# Altium PCB main.PcbDoc (part 3 of 3)
Units mil, origin at the board's own origin, x right, y up, seen from the top; angles counter-clockwise.
Board outline 4925 x 4925 mil, 2 copper layers (Top Layer, Bottom Layer); 278 components, 209 nets, 834 pads, 219 vias.
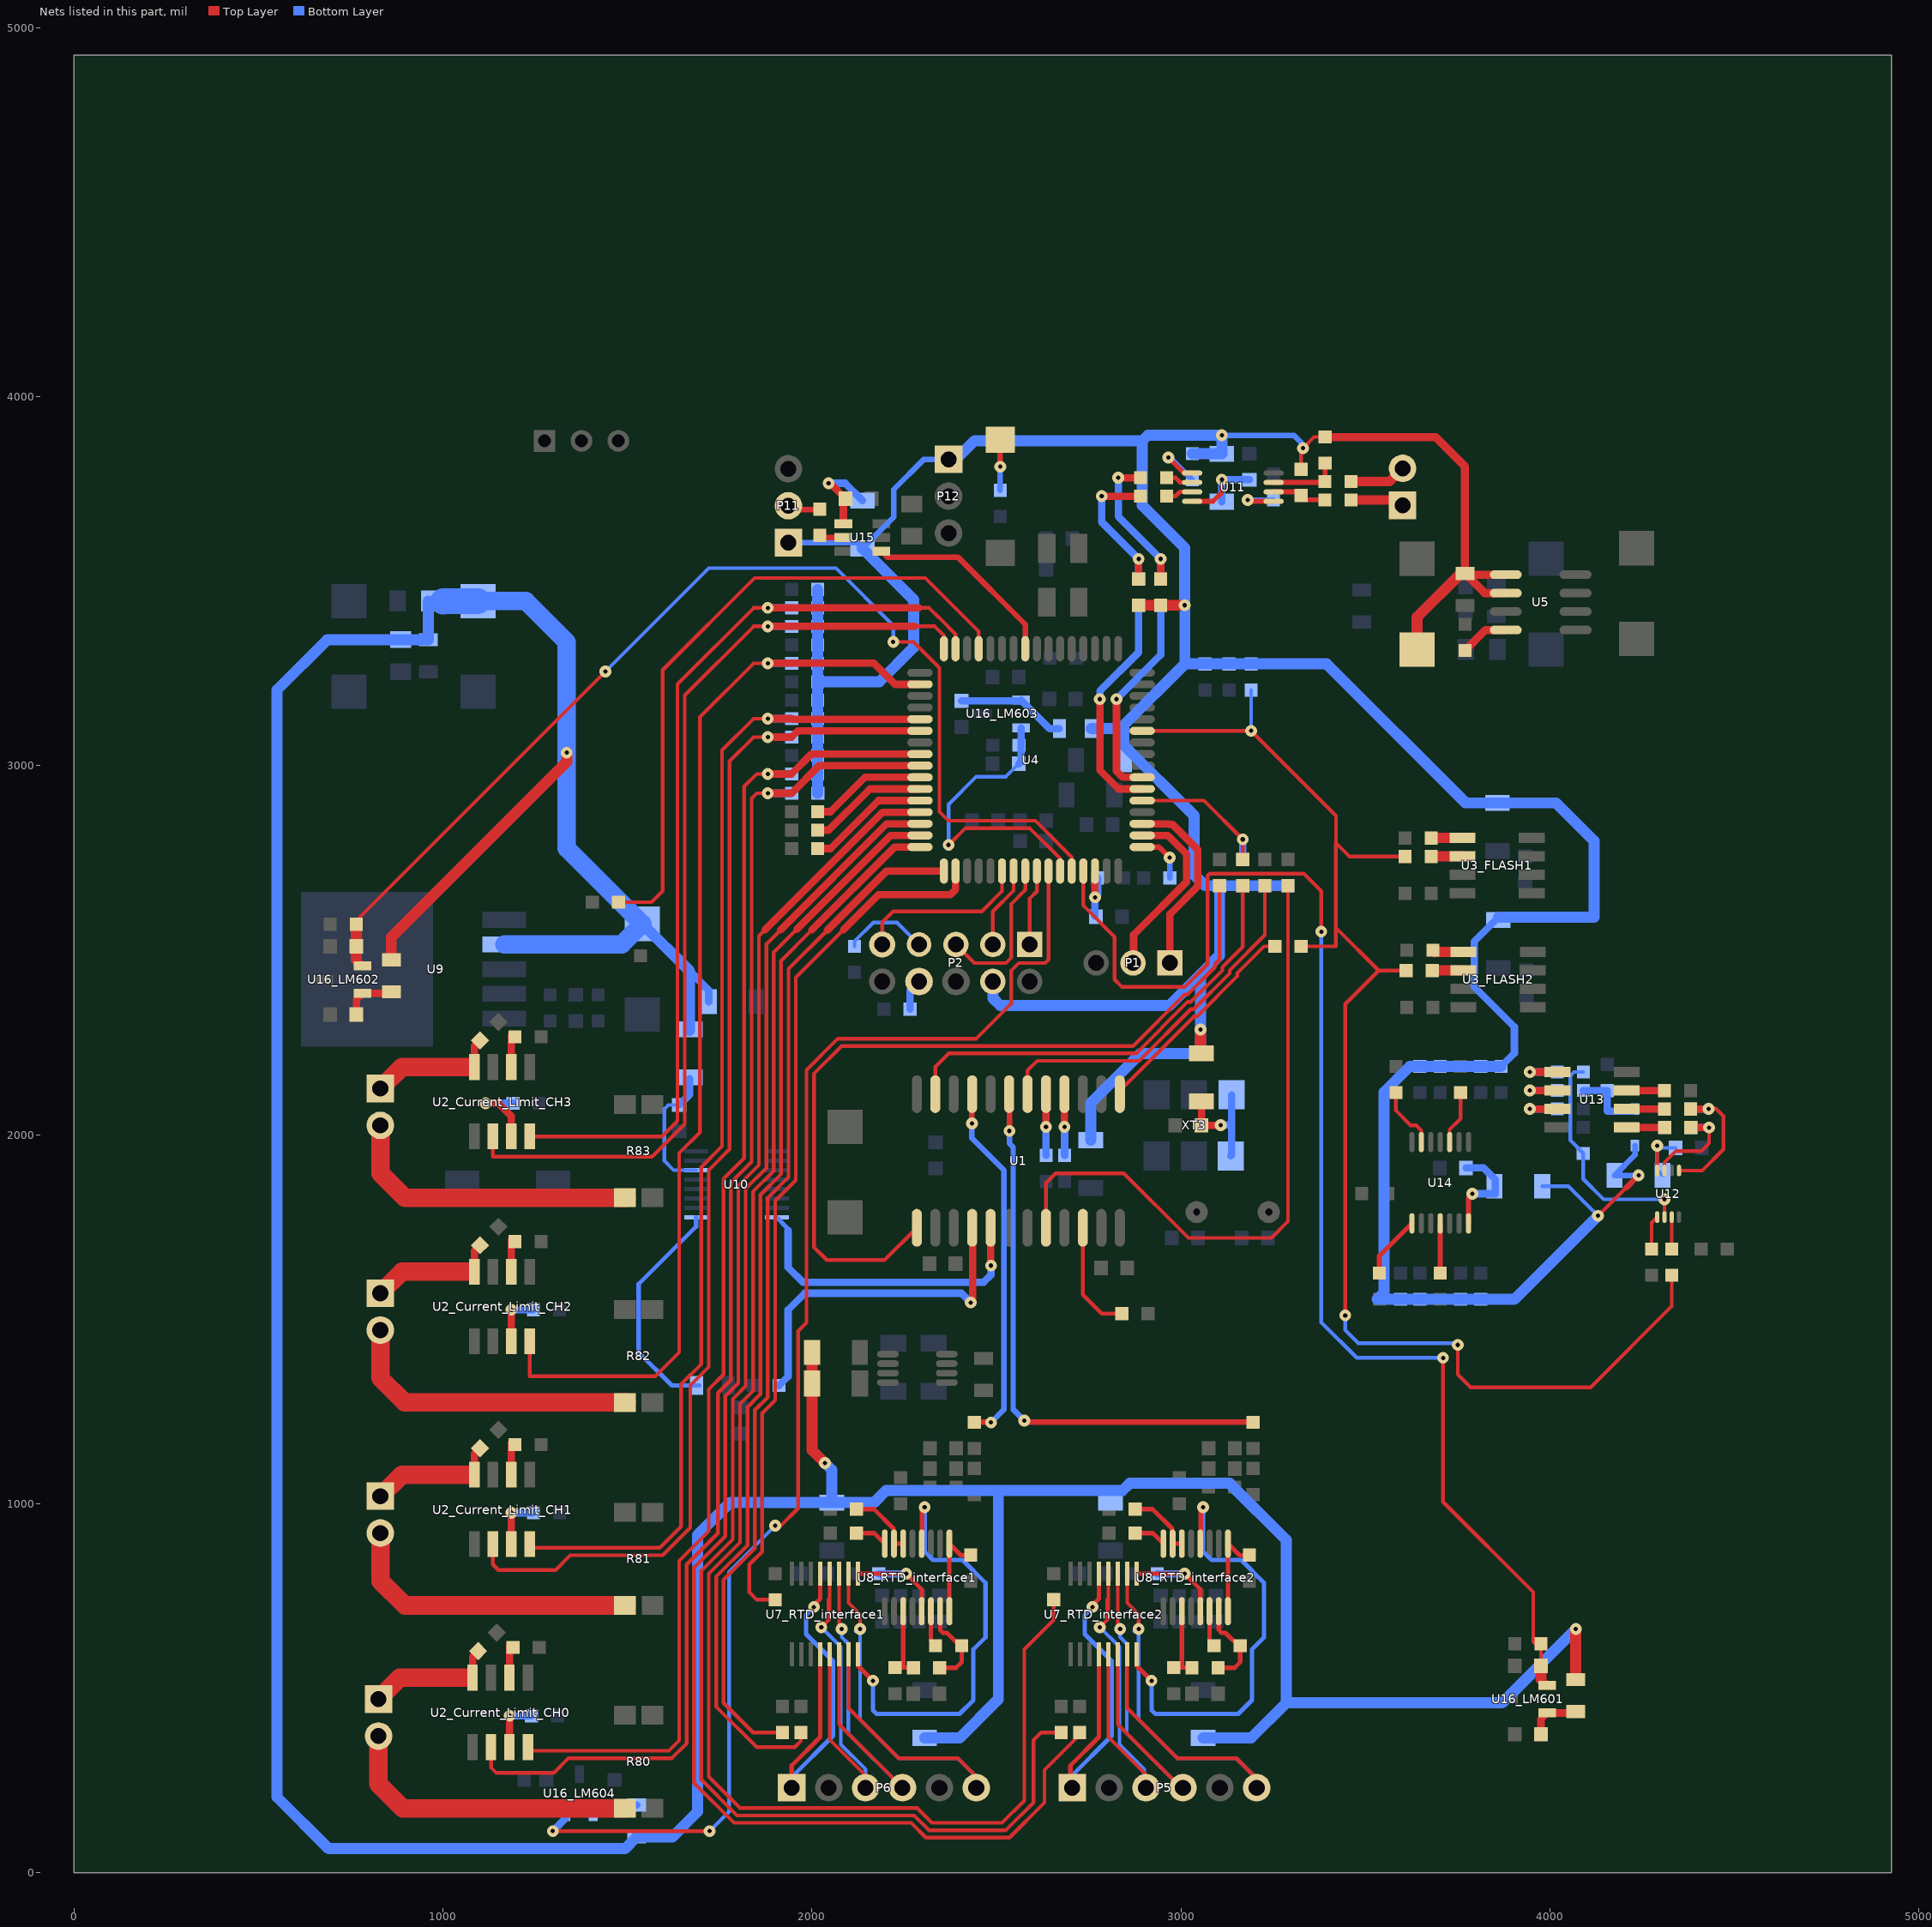
[diagram p3: the nets of this part, all layers, seen from the top]

## Via types
v1: diameter 32, hole 11.81, Top Layer to Bottom Layer, 202 vias
v2: diameter 50, hole 19.68, Top Layer to Bottom Layer, 17 vias

## Nets (pads, with @x,y where several pads share a name; then routed paths per layer and width w, separated by ;. In a path a pad name is that pad's centre, name@x,y a point inside that pad or via, vN(x,y) a via of type N, cw(c..) or ccw(c..) an arc to the next point about the centre after c; other vN are vias at no path point) (continued)
NetC38_2: C38.2 R112.1 U10.14 | length 365.2
  Bottom Layer w10: C38.2@1640,2080.43 1610.43,2080.43 1600,2070 1600,1928.39 1625,1903.39 U10.14@1685.75,1903.39
  Bottom Layer w20: C38.2@1640,2080.43 1668.04,2108.47 R112.1@1668.04,2152.01
NetC39_2: C39.2 R117.1 U11.8 | length 260.2
  Top Layer w13: U11.8@3030.2,3716.18 3086.61,3716.18 3110.43,3740 v1(3110.43,3775)
  Bottom Layer w20: R117.1@3110.43,3715.04 v1(3110.43,3775) 3185,3775 C39.2@3185.43,3774.57
NetC40_2: C40.2 R118.2 U12.8 | length 205.1
  Top Layer w10: v1(4290,1969.57) 4290.16,1969.41 U12.8@4290.16,1902.87
  Bottom Layer w10: R118.2@4304.96,1889.57 4290,1904.53 v1(4290,1969.57) 4295.59,1963.98 C40.2@4339.84,1963.98
NetC41_1: C41.1 R119.2 U14.14 | length 277.9
  Top Layer w13: U14.14@3779.13,1759.41 3779.13,1829.13 v1(3789.69,1839.69)
  Bottom Layer w20: C41.1@3772.36,1909.65 3820.35,1909.65 3851.93,1878.07 3851.93,1839.69 v1(3789.69,1839.69)
NetC42_2: C42.2 R120.2 U15.4 | length 244.7
  Top Layer w20: v1(2044.69,3765.01) 2049.21,3765.01 C42.2@2090.93,3723.28 2084.79,3717.14 U15.4@2084.79,3655.68
  Bottom Layer w20: v1(2044.69,3765.01) 2089.6,3765.01 R120.2@2136.37,3718.24
NetC43_LM601_2: C43_LM601.2 R123_LM601.2 U16_LM601.1 | length 144.2
  Top Layer w20: C43_LM601.2@3975.43,375 3975.43,416.02 U16_LM601.1@3992.01,432.6 4065.91,432.6 R123_LM601.2@4070,436.69
NetC43_LM602_2: C43_LM602.2 R123_LM602.2 U16_LM602.1 | length 144.2
  Top Layer w20: C43_LM602.2@765,2325 765,2366.02 U16_LM602.1@781.57,2382.6 855.47,2382.6 R123_LM602.2@859.57,2386.69
NetC43_LM603_2: C43_LM603.2 R123_LM603.2 U16_LM603.1 | length 298.1
  Bottom Layer w20: C43_LM603.2@2405,3175.43 2564.61,3175.43 U16_LM603.1@2566.57,3177.4 2643.98,3100 R123_LM603.2@2670.22,3100
NetC43_LM604_2: C43_LM604.2 R123_LM604.2 U16_LM604.1 | length 125.8
  Bottom Layer w20: U16_LM604.1@1407.4,163.43 1423.98,180 C43_LM604.2@1465,180 1468.31,183.31 R123_LM604.2@1525,183.31
NetC45_2: C45.2 R126.2 U4.62 | length 180.1
  Top Layer w20: v1(2766.76,2643.07) U4.62@2766.76,2714.25
  Bottom Layer w10: C45.2@2766.76,2592.64 C45.2@2768.97,2590.43 ; v1(2766.76,2643.07) v1@2773.97,2650.28
  Bottom Layer w20: C45.2@2766.76,2592.64 v1(2766.76,2643.07) ; v1@2773.97,2650.28 R126.2@2773.97,2695.43
NetC47_1: C47.1 R127.1 XT3.1 XT3.6 | length 312.7
  Top Layer w20: R127.1@3055,2090.04 3055.47,2089.57 C47.1@3055.47,2025 3055.91,2025.43 v1(3107.68,2025.43)
  Bottom Layer w20: v1(3107.68,2025.43) 3108.03,2025.79 3136.61,2025.79 ; XT3.1@3135.04,1942.32 3136.61,1943.9 3136.61,2025.79 ; XT3.6@3136.61,2107.68 3136.61,2025.79
NetD1_A: D1.A R96.1 R97.2 | length 197.2
  Bottom Layer w20: R96.1@4090.43,2119.57 4154.57,2119.57 R97.2@4155,2119.13 4155,2063.78 4225,2063.78 D1.A@4230,2068.78
NetP2_7: P2.7 R137.2 | length 234.1
  Bottom Layer w10: R137.2@2115,2510.43 2115,2524.01 2165.4,2574.4 2230.6,2574.4 P2.7@2290,2515
NetP2_8: P2.8 R138.2 | length 85.2
  Bottom Layer w20: R138.2@2265.43,2340 2265.43,2390.43 P2.8@2290,2415
NetP3_1: P3.1 R113.2 | length 145.6
  Top Layer w25: R113.2@3460.87,3720 3585.87,3720 P3.1@3600.43,3705.43
NetP3_2: P3.2 R115.2 | length 154.2
  Top Layer w25: R115.2@3460.87,3770 3565,3770 P3.2@3600.43,3805.43
NetP5_1: P5.1 U7_RTD_interface2.4 U7_RTD_interface2.13 | length 1065.5
  Top Layer w12: P5.1@2700,230 2700,290 2777.17,367.17 U7_RTD_interface2.4@2777.17,591.18 ; v1(2760,720) 2760,725 2777.17,742.17 U7_RTD_interface2.13@2777.17,809.69
  Bottom Layer w12: P5.1@2700,230 2700,258.89 2812,370.89 2812,573 2738.78,646.22 2738.78,698.78 v1(2760,720)
NetP5_3: P5.3 U7_RTD_interface2.5 U7_RTD_interface2.12 | length 1098.8
  Top Layer w10: v1(2780,665) 2799.72,684.72 ; 2799.72,741.18 2799.72,684.72 ; U7_RTD_interface2.5@2802.76,591.18 2802.76,367.24 2905,265 P5.3@2905,230 ; U7_RTD_interface2.12@2802.76,809.69 2802.76,687.76 2799.72,684.72
  Bottom Layer w10: v1(2780,665) 2833,612 2833,347 2900,280 P5.3@2900,230
NetP5_4: P5.4 U7_RTD_interface2.6 U7_RTD_interface2.11 | length 1083.1
  Top Layer w10: U7_RTD_interface2.6@2828.35,591.18 2828.35,401.65 P5.4@3000,230 ; U7_RTD_interface2.11@2828.35,809.69 2828.35,666.65 v1(2835,660)
  Bottom Layer w10: v1(2835,660) 2835,638.28 2853,620.28 2853,377 P5.4@3000,230
NetP5_6: P5.6 U7_RTD_interface2.7 U7_RTD_interface2.10 | length 1429.4
  Top Layer w10: U7_RTD_interface2.7@2853.94,591.18 2853.94,446.06 2990,310 3150,310 3200,260 P5.6@3200,230 ; U7_RTD_interface2.10@2853.94,809.69 2853.94,731.06 2885,700 v1(2885,660)
  Bottom Layer w10: v1@2873,654.16 2878.84,660 v1(2885,660) 2885,415 2990,310 3150,310 3200,260 P5.6@3200,230
NetP6_1: P6.1 U7_RTD_interface1.4 U7_RTD_interface1.13 | length 1065.5
  Top Layer w12: P6.1@1945,230 1945,290 2022.17,367.17 U7_RTD_interface1.4@2022.17,591.18 ; v1(2005,720) 2005,725 2022.17,742.17 U7_RTD_interface1.13@2022.17,809.69
  Bottom Layer w12: P6.1@1945,230 1945,258.89 2057,370.89 2057,573 1983.78,646.22 1983.78,698.78 v1(2005,720)
NetP6_3: P6.3 U7_RTD_interface1.5 U7_RTD_interface1.12 | length 1098.7
  Top Layer w10: v1(2025,665) 2044.72,684.72 ; 2044.72,741.18 2044.72,684.72 ; U7_RTD_interface1.12@2047.76,809.69 2047.76,687.76 2044.72,684.72 ; U7_RTD_interface1.5@2049.72,591.18 U7_RTD_interface1.5@2047.76,591.18 2047.76,360.41 2145,263.17 P6.3@2145,230
  Bottom Layer w10: v1(2025,665) 2078,612 2078,347 2145,280 P6.3@2145,230
NetP6_4: P6.4 U7_RTD_interface1.6 U7_RTD_interface1.11 | length 1083.1
  Top Layer w10: U7_RTD_interface1.6@2073.35,591.18 2073.35,401.65 P6.4@2245,230 ; U7_RTD_interface1.11@2073.35,809.69 2073.35,666.65 v1(2080,660)
  Bottom Layer w10: v1(2080,660) 2080,638.28 2098,620.28 2098,377 P6.4@2245,230
NetP6_6: P6.6 U7_RTD_interface1.7 U7_RTD_interface1.10 | length 1429.4
  Top Layer w10: U7_RTD_interface1.7@2098.94,591.18 2098.94,446.06 2235,310 2395,310 2445,260 P6.6@2445,230 ; U7_RTD_interface1.10@2098.94,809.69 2098.94,731.06 2130,700 v1(2130,660)
  Bottom Layer w10: v1@2118,654.16 2123.84,660 v1(2130,660) 2130,415 2235,310 2395,310 2445,260 P6.6@2445,230
NetP7_1: P7.1 R1_Current_Limit_CH0.1 U2_Current_Limit_CH0.8 | length 342
  Top Layer w20: U2_Current_Limit_CH0.8@1080,528.35 1080,585.16 R1_Current_Limit_CH0.1@1094.95,600.1
  Top Layer w50: P7.1@825,470.16 883.19,528.35 1065,528.35
NetP7_2: P7.2 R80.4 | length 824.9
  Top Layer w50: P7.2@825,370.16 825,240.16 890.98,174.17 R80.4@1492.6,174.17
NetP8_1: P8.1 R1_Current_Limit_CH1.1 U2_Current_Limit_CH1.8 | length 342
  Top Layer w20: U2_Current_Limit_CH1.8@1085,1078.35 1085,1135.16 R1_Current_Limit_CH1.1@1099.95,1150.1
  Top Layer w50: P8.1@830,1020.16 888.19,1078.35 1070,1078.35
NetP8_2: P8.2 R81.4 | length 824.9
  Top Layer w50: P8.2@830.43,920.16 830.43,790.16 896.42,724.17 R81.4@1493.03,724.17 R81.4@1498.03,724.17
NetP9_1: P9.1 R1_Current_Limit_CH2.1 U2_Current_Limit_CH2.8 | length 342
  Top Layer w20: U2_Current_Limit_CH2.8@1085,1628.35 1085,1685.16 R1_Current_Limit_CH2.1@1099.94,1700.1
  Top Layer w50: P9.1@830,1570.16 888.19,1628.35 1070,1628.35
NetP9_2: P9.2 R82.4 | length 824.9
  Top Layer w50: P9.2@830,1470.16 830,1340.16 895.98,1274.17 R82.4@1492.6,1274.17 R82.4@1497.6,1274.17
NetP10_1: P10.1 R1_Current_Limit_CH3.1 U2_Current_Limit_CH3.8 | length 342
  Top Layer w20: U2_Current_Limit_CH3.8@1085,2183.19 1085,2240 R1_Current_Limit_CH3.1@1099.95,2254.95
  Top Layer w50: P10.1@830,2125 888.19,2183.19 1070,2183.19
NetP10_2: P10.2 R83.4 | length 824.9
  Top Layer w50: P10.2@830.43,2025 830.43,1895 896.42,1829.02 R83.4@1492.6,1829.02 R83.4@1498.03,1829.02
NetP11_2: P11.2 R110.1 | length 74.3
  Top Layer w15: P11.2@1935.77,3704.14 1945.77,3694.14 R110.1@2005.94,3694.14
NetR2_Current_Limit_CH0_2: R2_Current_Limit_CH0.2 U2_Current_Limit_CH0.3 | length 144.6
  Top Layer w20: U2_Current_Limit_CH0.3@1180,340.16 v1(1180,425.16)
  Bottom Layer w20: v1(1180,425.16) R2_Current_Limit_CH0.2@1239.57,425.16
NetR2_Current_Limit_CH1_2: R2_Current_Limit_CH1.2 U2_Current_Limit_CH1.3 | length 144.6
  Top Layer w20: U2_Current_Limit_CH1.3@1185,890.16 v1(1185,975.16)
  Bottom Layer w20: v1(1185,975.16) R2_Current_Limit_CH1.2@1244.57,975.16
NetR2_Current_Limit_CH2_2: R2_Current_Limit_CH2.2 U2_Current_Limit_CH2.3 | length 165
  Top Layer w20: U2_Current_Limit_CH2.3@1185,1419.73 U2_Current_Limit_CH2.3@1185,1440.16 v1(1185,1525.16)
  Bottom Layer w20: v1(1185,1525.16) R2_Current_Limit_CH2.2@1244.57,1525.16
NetR2_Current_Limit_CH3_2: R2_Current_Limit_CH3.2 U2_Current_Limit_CH3.3 | length 214.1
  Top Layer w20: v1(1115,2085) 1150,2085 1185,2050 U2_Current_Limit_CH3.3@1185,1995
  Bottom Layer w20: v1(1115,2085) R2_Current_Limit_CH3.2@1189.57,2085
NetR3_Current_Limit_CH0_1: R3_Current_Limit_CH0.1 U2_Current_Limit_CH0.6 | length 86.8
  Top Layer w20: U2_Current_Limit_CH0.6@1180,528.35 R3_Current_Limit_CH0.1@1180,615.16
NetR3_Current_Limit_CH1_1: R3_Current_Limit_CH1.1 U2_Current_Limit_CH1.6 | length 86.8
  Top Layer w20: U2_Current_Limit_CH1.6@1185,1078.35 R3_Current_Limit_CH1.1@1185,1165.16
NetR3_Current_Limit_CH2_1: R3_Current_Limit_CH2.1 U2_Current_Limit_CH2.6 | length 86.8
  Top Layer w20: U2_Current_Limit_CH2.6@1185,1628.35 R3_Current_Limit_CH2.1@1185,1715.16
NetR3_Current_Limit_CH3_1: R3_Current_Limit_CH3.1 U2_Current_Limit_CH3.6 | length 86.8
  Top Layer w20: U2_Current_Limit_CH3.6@1185,2183.19 R3_Current_Limit_CH3.1@1185,2270
NetR11_1: R11.1 R22.2 R116.1 | length 436.8
  Top Layer w20: v1(2830,3780) R116.1@2890,3780 ; R11.1@2945,3505.44 v1(2945,3560)
  Bottom Layer w20: v1(2830,3780) 2830,3675 v1(2945,3560) R22.2@2945,3505.43
NetR12_1: R12.1 R18.2 R114.1 | length 425.6
  Top Layer w20: v1(2785,3730) R114.1@2890,3730 ; R12.1@2885,3505.44 v1(2885,3560)
  Bottom Layer w20: v1(2785,3730) 2785,3660 v1(2885,3560) R18.2@2885,3505.43
NetR17_2: R17.2 U1.20 | length 1789.1
  Top Layer w10: U1.20@2633.98,1747.36 2633.98,1868.98 2660,1895 2845,1895 3020,1720 3245,1720 3290,1765 R17.2@3290,2674.57
NetR19_2: R19.2 U1.6 | length 988.3
  Top Layer w10: U1.6@2583.98,2109.57 2583.98,2173.98 2610,2200 2886.57,2200 3026.57,2340 3034.85,2340 3131.86,2437 3131.86,2445.29 3227.29,2540.73 R19.2@3227.29,2664.57
NetR20_2: R20.2 U1.11 | length 1212.3
  Top Layer w10: U1.11@2333.98,2109.57 2333.98,2183.98 2370,2220 2878.28,2220 3018.28,2360 3026.57,2360 3111.86,2445.29 3111.86,2453.57 3167.29,2509.01 R20.2@3167.29,2664.57 ; R20.2@3167.29,2665 R20.2@3167.29,2674.57
NetR21_2: R21.2 U1.13 | length 2222.3
  Top Layer w10: U1.13@2283.98,1747.36 2196.62,1660 2040,1660 2005,1695 2005,2165 2080,2240 2870,2240 3010,2380 3018.28,2380 3091.86,2453.57 3091.86,2461.86 3104.57,2474.57 R21.2@3104.57,2664.57
NetR30_2: R30.2 U4.1 | length 141.8
  Top Layer w15: U4.1@2894.71,2779.21 2940.62,2779.21 v1(2969.4,2750.43)
  Bottom Layer w15: v1(2969.4,2750.43) 2969.4,2695.86 R30.2@2969.83,2695.43
NetR32_1: R32.1 S1.1 | length 137.8
  Top Layer w15: v1(2510,3810) S1.1@2510,3883.54
  Bottom Layer w15: R32.1@2510,3745.75 v1(2510,3810)
NetR37_2: R37.2 U5.4 | length 133.5
  Top Layer w22: R37.2@3769.57,3311.97 3825,3367.4 U5.4@3880.08,3367.4
NetR53_RTD_interface1_1: R53_RTD_interface1.1 U1.9 | length 985.4
  Top Layer w15: v1(2433.39,2030) 2433.39,2108.97 U1.9@2433.98,2109.57 ; R53_RTD_interface1.1@2440,1220.43 2484.57,1220.43 v1(2485,1220)
  Bottom Layer w15: v1(2433.39,2030) 2433.39,1990 2520,1903.39 2520,1255 v1(2485,1220)
NetR53_RTD_interface2_1: R53_RTD_interface2.1 U1.7 | length 1523.5
  Top Layer w15: U1.7@2533.98,2109.57 2535,2108.55 v1(2535,2010) ; v1(2575,1225) 2579.57,1220.43 R53_RTD_interface2.1@3195,1220.43
  Bottom Layer w15: v1(2535,2010) 2535,1975.76 2545,1965.76 2545,1255 v1(2575,1225)
NetR55_RTD_interface1_1: R55_RTD_interface1.1 U8_RTD_interface1.6 | length 98.6
  Top Layer w12: U8_RTD_interface1.6@2322.11,708.46 2322.11,627.46 R55_RTD_interface1.1@2334.57,615
NetR55_RTD_interface1_2: R55_RTD_interface1.2 R57_RTD_interface1.1 U8_RTD_interface1.7 | length 234.7
  Top Layer w12: R57_RTD_interface1.1@2345.44,555 2390,555 2405.43,570.43 2405.43,610 2365.44,650 2355,650 2347.11,657.89 U8_RTD_interface1.7@2347.11,708.46
NetR55_RTD_interface2_1: R55_RTD_interface2.1 U8_RTD_interface2.6 | length 98.6
  Top Layer w12: U8_RTD_interface2.6@3077.11,708.46 3077.11,627.46 R55_RTD_interface2.1@3089.57,615
NetR55_RTD_interface2_2: R55_RTD_interface2.2 R57_RTD_interface2.1 U8_RTD_interface2.7 | length 234.7
  Top Layer w12: R57_RTD_interface2.1@3100.44,555 3145,555 3160.43,570.43 3160.43,610 3120.44,650 3110,650 3102.11,657.89 U8_RTD_interface2.7@3102.11,708.46
NetR56_RTD_interface1_1: R56_RTD_interface1.1 R57_RTD_interface1.2 U8_RTD_interface1.3 | length 202.8
  Top Layer w12: R56_RTD_interface1.1@2225,555.43 2247.11,555.43 ; U8_RTD_interface1.3@2247.11,708.46 2247.11,555.43 ; R57_RTD_interface1.2@2274.57,555 2274.14,555.43 2247.11,555.43
NetR56_RTD_interface2_1: R56_RTD_interface2.1 R57_RTD_interface2.2 U8_RTD_interface2.3 | length 202.8
  Top Layer w12: R56_RTD_interface2.1@2980,555.43 3002.11,555.43 ; U8_RTD_interface2.3@3002.11,708.46 3002.11,555.43 ; R57_RTD_interface2.2@3029.57,555 3029.14,555.43 3002.11,555.43
NetR58_RTD_interface1_2: R58_RTD_interface1.2 U4.49 | length 2786.3
  Top Layer w10: R58_RTD_interface1.2@1920,379.56 1840.42,379.58 1760,460 1760,793.58 1845,878.58 1845,1253.43 1880,1288.43 1880,1828.58 1936.07,1884.65 1936.07,2448.94 2041.07,2553.93
  Top Layer w20: 2041.07,2553.93 2201.38,2714.25 U4.49@2357.31,2714.25
NetR58_RTD_interface2_2: R58_RTD_interface2.2 U4.46 | length 4129
  Top Layer w10: 1914.93,2555.07 1876.07,2516.22 1876.07,1909.5 1820,1853.43 1820,1318.43 1785,1283.43 1785,903.43 1700,818.43 1700,251.72 1796.72,155 2276.72,155 2316.72,115 2525,115 2600,190 2600,359.15 2620.42,379.58 R58_RTD_interface2.2@2674.99,379.58
  Top Layer w20: 1914.93,2555.07 2202.05,2842.2 U4.46@2292.35,2842.2
NetR59_RTD_interface1_2: R59_RTD_interface1.2 U4.50 | length 2378.4
  Top Layer w10: R59_RTD_interface1.2@1900,739.56 1850.43,739.57 1830,760 1830,835 1865,870 1865,1245.15 1900,1280.15 1900,1820.29 1956.07,1876.37 1956.07,2426.07 2085,2555
  Top Layer w20: 2085,2555 2180,2650 2375,2650 2388.81,2663.81 U4.50@2388.81,2714.25
NetR59_RTD_interface2_2: R59_RTD_interface2.2 U4.47 | length 4350.7
  Top Layer w10: 1958.64,2556.36 1896.07,2493.79 1896.07,1901.22 1840,1845.15 1840,1305 1805,1270 1805,895.15 1720,810.15 1720,260 1805,175 2285,175 2325,135 2515,135 2575,195 2575,605 2655,685 R59_RTD_interface2.2@2655,739.57 ; U4.47@2287.35,2805.7 U4.47@2292.35,2810.7
  Top Layer w20: 1958.64,2556.36 2212.98,2810.7 U4.47@2292.35,2810.7
NetR60_RTD_interface1_2: R60_RTD_interface1.2 U4.48 | length 2910.4
  Top Layer w10: R60_RTD_interface1.2@1970,379.56 1970,356.85 1953.15,340 1850,340 1740,450 1740,801.86 1825,886.86 1825,1261.72 1860,1296.72 1860,1836.86 1916.07,1892.93 1916.07,2471.36 1999.85,2555.15 ; U4.48@2287.35,2774.21 U4.48@2292.35,2779.21
  Top Layer w20: 1999.85,2555.15 2223.91,2779.21 U4.48@2292.35,2779.21
NetR60_RTD_interface2_2: R60_RTD_interface2.2 U4.45 | length 4223
  Top Layer w10: 1872.43,2555 1856.07,2538.64 1856.07,1917.79 1800,1861.72 1800,1326.72 1765,1291.72 1765,911.72 1680,826.72 1680,243.43 1788.43,135 2268.43,135 2308.43,95 2535,95 2630,190 2630,277.93 2725,372.94 R60_RTD_interface2.2@2725,379.57
  Top Layer w20: 1872.43,2555 2191.12,2873.7 U4.45@2292.35,2873.7
NetR61_RTD_interface1_1: R61_RTD_interface1.1 U8_RTD_interface1.16 | length 68.5
  Top Layer w12: 2140.44,920 2168.64,920 U8_RTD_interface1.16@2197.11,891.53
NetR61_RTD_interface2_1: R61_RTD_interface2.1 U8_RTD_interface2.16 | length 68.5
  Top Layer w12: 2895.44,920 2923.64,920 U8_RTD_interface2.16@2952.11,891.53
NetR62_RTD_interface1_1: R62_RTD_interface1.1 U8_RTD_interface1.14 U8_RTD_interface1.15 | length 168.4
  Top Layer w12: 2140.44,985 2167.92,985 2220.98,931.93 2220.98,892.66 U8_RTD_interface1.15@2222.11,891.53 U8_RTD_interface1.14@2247.11,891.53
NetR62_RTD_interface2_1: R62_RTD_interface2.1 U8_RTD_interface2.14 U8_RTD_interface2.15 | length 168.4
  Top Layer w12: 2895.44,985 2922.92,985 2975.98,931.93 2975.98,892.66 U8_RTD_interface2.15@2977.11,891.53 U8_RTD_interface2.14@3002.11,891.53
NetR63_RTD_interface1_1: R63_RTD_interface1.1 U8_RTD_interface1.8 U8_RTD_interface1.9 | length 253.8
  Top Layer w12: U8_RTD_interface1.8@2372.11,708.46 U8_RTD_interface1.9@2372.11,891.53 2403.21,860.43 R63_RTD_interface1.1@2430,860.43
NetR63_RTD_interface2_1: R63_RTD_interface2.1 U8_RTD_interface2.8 U8_RTD_interface2.9 | length 253.8
  Top Layer w12: U8_RTD_interface2.8@3127.11,708.46 U8_RTD_interface2.9@3127.11,891.53 3158.21,860.43 R63_RTD_interface2.1@3185,860.43
NetR68_2: R68.2 U4.42 | length 315.5
  Top Layer w20: R68.2@2015.43,2875 2050,2875 2143.18,2968.18 U4.42@2292.35,2968.18
NetR69_2: R69.2 U4.44 | length 330.9
  Top Layer w20: R69.2@2015.42,2775 2050,2775 2180.19,2905.19 U4.44@2292.35,2905.19
NetR73_2: R73.2 U4.29 | length 1797.8
  Top Layer w10: R73.2@1475.43,2630 1565,2630 1595,2660 1595,3258.86 1844.42,3508.27 2306.91,3508.27 2451.8,3363.39 U4.29@2451.8,3316.61
NetR78_1: R78.1 U10.9 | length 631.8
  Bottom Layer w12: U10.9@1685.75,1775.43 1685.75,1750.75 1530,1595 1530,1410 1620,1320 R78.1@1686.69,1320 R78.1@1694.57,1320
NetR79_2: R79.2 U1.16 | length 944
  Top Layer w20: v1(2430,1545) 2435,1550 2435,1746.34 U1.16@2433.98,1747.36
  Bottom Layer w20: R79.2@1910.43,1320 1935,1344.57 1935,1525 1980,1570 2405,1570 v1(2430,1545)
NetR84_1: R84.1 R113.1 U11.2 | length 148.3
  Top Layer w13: U11.2@3250.67,3741.77 3318.23,3741.77 3340,3720 R113.1@3390,3720
NetR85_1: R85.1 R115.1 U11.3 | length 190.2
  Top Layer w13: U11.3@3250.67,3767.36 3387.36,3767.36 R115.1@3390,3770 3390,3819.13 R85.1@3390.43,3819.57
NetR86_1: R86.1 U11.5 | length 172.2
  Top Layer w13: v1(2965.43,3835) 3007.48,3792.95 U11.5@3030.2,3792.95
  Bottom Layer w15: v1(2965.43,3835) 2970,3835 R86.1@3030.43,3774.57
NetR87_2: R87.2 U11.1 | length 142
  Top Layer w13: v1(3180.43,3720) 3184.25,3716.18 U11.1@3250.67,3716.18
  Bottom Layer w15: v1(3180.43,3720) 3180.87,3719.57 R87.2@3250.43,3719.57
NetR88_1: R88.1 R93.1 U12.7 | length 301.7
  Top Layer w10: U12.7@4310.16,1911.16 4310.16,1924.73 4340.43,1955 4410,1955 4431.03,1976.03 v1(4431.03,2018.97) ; R93.1@4381.76,2018.97 R93.1@4385,2015.74
  Top Layer w20: R93.1@4381.76,2018.97 v1(4431.03,2018.97)
  Bottom Layer w20: R88.1@4381.77,2018.97 v1(4431.03,2018.97)
NetR89_1: R89.1 R94.1 U12.5 | length 381.7
  Top Layer w10: U12.5@4349.84,1902.56 4412.56,1902.56 4470,1960 4470,2050 4450,2070 v1(4430,2070) v1@4428.98,2068.98
  Top Layer w20: R94.1@4380.71,2068.98 v1@4428.98,2068.98
  Bottom Layer w20: R89.1@4380.71,2068.98 4428.98,2068.98 v1(4430,2070)
NetR90_1: R90.1 R95.1 U12.2 | length 624.9
  Top Layer w10: v1(4310,1824.57) 4310.16,1824.41 U12.2@4310.16,1776.58
  Bottom Layer w10: R95.1@4090.43,2169.57 4065,2169.57 4055,2159.57 4055,1984.57 4090,1949.57 R90.1@4090,1949.13 4090,1879.57 4145,1824.57 v1(4310,1824.57)
NetR91_1: R91.1 U13.7 | length 101.9
  Top Layer w20: U13.7@4208.19,2119.57 4309.26,2119.57 R91.1@4309.85,2118.98
NetR92_1: R92.1 U13.3 | length 149.6
  Top Layer w20: v1(3945,2069.57) U13.3@4020,2069.57
  Bottom Layer w20: v1(3945,2069.57) R92.1@4019.57,2069.57
NetR93_2: R93.2 U13.5 | length 103
  Top Layer w20: U13.5@4208.19,2019.57 4310.3,2019.57 R93.2@4310.9,2018.97
NetR94_2: R94.2 U13.6 | length 101.9
  Top Layer w20: U13.6@4208.19,2069.57 4309.26,2069.57 R94.2@4309.85,2068.98
NetR95_2: R95.2 U13.1 | length 149.6
  Top Layer w20: v1(3945,2169.57) U13.1@4020,2169.57
  Bottom Layer w20: v1(3945,2169.57) R95.2@4019.57,2169.57
NetR96_2: R96.2 U13.2 | length 149.6
  Top Layer w20: v1(3945,2119.57) U13.2@4020,2119.57
  Bottom Layer w20: v1(3945,2119.57) R96.2@4019.57,2119.57
NetR98_2: R98.2 U1.1 | length 596.7
  Top Layer w10: U1.1@2833.98,2109.57 2833.98,2118.98 3035,2320 3043.14,2320 3151.86,2428.72 3151.86,2436.86 3225,2510 R98.2@3254.57,2510
NetR99_2: R99.2 U1.22 | length 308.1
  Top Layer w10: U1.22@2733.98,1747.36 2733.98,1566.02 2785,1515 R99.2@2839.57,1515
NetR100_2: R100.2 U14.3 | length 146.1
  Top Layer w10: U14.3@3727.95,1979.88 3727.95,2013.96 3757.36,2043.37 R100.2@3757.37,2113.77
NetR101_2: R101.2 U3_FLASH2.2 | length 79.5
  Top Layer w28: R101.2@3686.02,2444.41 3686.61,2445 U3_FLASH2.2@3765.31,2445
NetR102_2: R102.2 U3_FLASH2.1 | length 79.5
  Top Layer w28: R102.2@3686.02,2494.41 3686.61,2495 U3_FLASH2.1@3765.31,2495
NetR103_2: R103.2 U14.6 | length 175.3
  Top Layer w10: R103.2@3592.37,2113.77 3582.37,2103.77 3582.37,2065.08 3622.37,2025.08 3637.37,2025.08 3651.18,2011.27 U14.6@3651.18,1979.88
NetR104_2: R104.2 U14.8 | length 171.3
  Top Layer w13: R104.2@3537.37,1624.64 3537.37,1671.19 U14.8@3625.59,1759.41
NetR105_2: R105.2 U3_FLASH1.2 | length 79.5
  Top Layer w28: R105.2@3683.11,2753.82 3683.7,2754.41 U3_FLASH1.2@3762.4,2754.41
NetR106_2: R106.2 U14.11 | length 134.8
  Top Layer w13: R106.2@3702.37,1624.64 U14.11@3702.36,1759.41
NetR107_2: R107.2 U3_FLASH1.1 | length 79.5
  Top Layer w28: R107.2@3683.11,2803.82 3683.7,2804.41 U3_FLASH1.1@3762.4,2804.41
NetR108_2: R108.2 U12.3 | length 75.8
  Top Layer w10: U12.3@4329.84,1765 4329.84,1743.98 4330,1744.13 R108.2@4330,1689.57
NetR109_2: R109.2 U12.1 | length 93.3
  Top Layer w10: R109.2@4275,1689.57 4275,1761.42 U12.1@4290.16,1776.58
NetR110_2: R110.2 U15.5 | length 66.3
  Top Layer w15: R110.2@2020.77,3623.71 2026.19,3618.28 U15.5@2084.79,3618.28
NetR114_2: R114.2 U11.7 | length 74.2
  Top Layer w12: R114.2@2960.87,3730 2985,3730 2996.77,3741.77 U11.7@3030.2,3741.77
NetR116_2: R116.2 U11.6 | length 74.6
  Top Layer w12: R116.2@2960.87,3780 2985,3780 2997.64,3767.36 U11.6@3030.2,3767.36
NetR121_2: R121.2 U1.5 | length 165.9
  Top Layer w20: v1(2633.98,2021.02) U1.5@2633.98,2109.57
  Bottom Layer w20: v1(2633.98,2021.02) 2633.98,1944.33 R121.2@2634.41,1943.89
NetR122_2: R122.2 U1.4 | length 165.9
  Top Layer w20: v1(2683.98,2021.02) U1.4@2683.98,2109.57
  Bottom Layer w20: v1(2683.98,2021.02) 2684.41,2020.59 R122.2@2684.41,1943.89
NetU1_17: U1.17 U10.8 | length 850.8
  Top Layer w20: U1.17@2483.98,1747.36 2483.98,1646.02 v1(2485,1645)
  Bottom Layer w12: U10.8@1904.25,1775.43 1935,1744.68 1935,1740
  Bottom Layer w20: 1935,1740 1935,1640 1975,1600 2465,1600 2485,1620 v1(2485,1645)
NetU4_25: U4.25 U15.1 | length 537.7
  Top Layer w15: U15.1@2187.94,3580.88 2203.82,3565 2395,3565 2577.78,3382.22 U4.25@2577.78,3316.61
ON_Current_Limit_CH0: R6.1 U2_Current_Limit_CH0.4 U4.40 | length 3666.8
  Top Layer w10: U2_Current_Limit_CH0.4@1230,340.16 1230,330.16 1611.72,330.16 1640,358.44 1640,845 1720,925 1720,1310 1760,1350 1760,1880 1816.07,1936.07 1816.07,2943.35 1849.99,2977.28 v1(1879.99,2977.28)
  Top Layer w20: v1(1879.99,2977.28) 1944.56,2977.28 1998.46,3031.18 U4.40@2292.35,3031.18
  Bottom Layer w20: v1(1879.99,2977.28) R6.1@1944.56,2977.28
ON_Current_Limit_CH1: R130.1 U2_Current_Limit_CH1.4 U4.37 | length 3230.4
  Top Layer w10: U2_Current_Limit_CH1.4@1235,890.16 1235,880.16 1586.87,880.16 1645,938.28 1645,1323.43 1700,1378.43 1700,1912.23 1756.07,1968.3 1756.07,3041.64 1841.71,3127.28 v1(1879.99,3127.28)
  Top Layer w20: v1(1879.99,3127.28) 1944.56,3127.28 1946.17,3125.66 U4.37@2292.35,3125.66
  Bottom Layer w20: v1(1879.99,3127.28) R130.1@1944.56,3127.28
ON_Current_Limit_CH2: R133.1 U2_Current_Limit_CH2.4 U4.34 | length 3016.8
  Top Layer w10: U2_Current_Limit_CH2.4@1235,1440.16 1235,1345 1575,1345 1640,1410 1640,1950 1696.07,2006.07 1696.07,3131.64 1841.7,3277.27 v1(1879.98,3277.27)
  Top Layer w20: v1(1879.98,3277.27) 2167.73,3277.27 2224.85,3220.15 U4.34@2292.35,3220.15
  Bottom Layer w20: v1(1879.98,3277.27) R133.1@1944.55,3277.27
ON_Current_Limit_CH3: R136.1 U2_Current_Limit_CH3.4 U4.31 | length 2574.1
  Top Layer w10: U2_Current_Limit_CH3.4@1235,1995 1593.28,1995 1635,2036.72 1635,3220.57 1841.7,3427.27 v1(1879.99,3427.27) ; 2289.4,3427.27 2317.2,3427.27 2344.47,3400 2344.83,3400 2388.81,3356.02 U4.31@2388.81,3316.61
  Top Layer w20: v1(1879.99,3427.27) 2289.4,3427.27
  Bottom Layer w20: v1(1879.99,3427.27) R136.1@1944.55,3427.27
PGOOD_Current_Limit_CH0: R5.1 U2_Current_Limit_CH0.2 U4.41 | length 3815.8
  Top Layer w10: U2_Current_Limit_CH0.2@1130,340.16 1130,285.16 1145,270.16 1300,270.16 1340,310.16 1620.16,310.16 1660,350 1660,835 1745,920 1745,1300 1780,1335 1780,1870 1836.07,1926.07 1836.07,2911.07 1850,2925 v1(1880,2925)
  Top Layer w20: v1(1880,2925) 1944.57,2925 2019.25,2999.68 U4.41@2292.35,2999.68
  Bottom Layer w20: v1(1880,2925) R5.1@1944.57,2925
PGOOD_Current_Limit_CH1: R129.1 U2_Current_Limit_CH1.2 U4.38 | length 3379.4
  Top Layer w10: U2_Current_Limit_CH1.2@1135,890.16 1135,835.16 1150,820.16 1305,820.16 1345,860.16 1595.16,860.16 1670,935 1670,1320.15 1720,1370.15 1720,1903.94 1776.07,1960.01 1776.07,3011.64 1841.71,3077.28 v1(1879.99,3077.28)
  Top Layer w20: v1(1879.99,3077.28) 1944.56,3077.28 1961.45,3094.17 U4.38@2292.35,3094.17
  Bottom Layer w20: v1(1879.99,3077.28) R129.1@1944.56,3077.28
PGOOD_Current_Limit_CH3: R135.1 U2_Current_Limit_CH3.2 U4.32 | length 2664.1
  Top Layer w10: U2_Current_Limit_CH3.2@1135,1995 1135,1940 1566.57,1940 1655,2028.43 1655,3190.57 1841.7,3377.27 v1(1879.99,3377.27) ; 2277.73,3377.27 2332.55,3377.27 2357.31,3352.52 U4.32@2357.31,3316.61
  Top Layer w20: v1(1879.99,3377.27) 2277.73,3377.27
  Bottom Layer w20: v1(1879.99,3377.27) R135.1@1944.55,3377.27
PT1000_CS_RTD_interface1: R54_RTD_interface1.1 U7_RTD_interface1.9 U8_RTD_interface1.5 | length 324.1
  Top Layer w12: U7_RTD_interface1.9@2124.53,809.69 2124.84,810 v1(2255,810) 2297.11,767.89 U8_RTD_interface1.5@2297.11,708.46
  Bottom Layer w20: R54_RTD_interface1.1@2180.44,810 v1(2255,810)
PT1000_CS_RTD_interface2: R54_RTD_interface2.1 U7_RTD_interface2.9 U8_RTD_interface2.5 | length 324.1
  Top Layer w12: U7_RTD_interface2.9@2879.53,809.69 2879.84,810 v1(3010,810) 3052.11,767.89 U8_RTD_interface2.5@3052.11,708.46
  Bottom Layer w20: R54_RTD_interface2.1@2935.44,810 v1(3010,810)
PT1000_VS_RTD_interface1: U7_RTD_interface1.8 U8_RTD_interface1.12 | length 1213
  Top Layer w12: U7_RTD_interface1.8@2124.53,591.18 2124.53,560.47 v1(2165,520) ; U8_RTD_interface1.12@2297.11,891.53 2298.23,892.66 2298.23,983.23 v1(2305,990)
  Bottom Layer w12: v1(2165,520) 2165,440 2175,430 2400,430 2437.31,467.31 2437.31,605.09 2470,637.78 2470,785 2408,847 2328,847 2305,870 v1(2305,990)
PT1000_VS_RTD_interface2: U7_RTD_interface2.8 U8_RTD_interface2.12 | length 1213
  Top Layer w12: U7_RTD_interface2.8@2879.53,591.18 2879.53,560.47 v1(2920,520) ; U8_RTD_interface2.12@3052.11,891.53 3053.23,892.66 3053.23,983.23 v1(3060,990)
  Bottom Layer w12: v1(2920,520) 2920,440 2930,430 3155,430 3192.31,467.31 3192.31,605.09 3225,637.78 3225,785 3163,847 3083,847 3060,870 v1(3060,990)
RXD0: P1.2 U4.2 | length 504.6
  Top Layer w20: P1.2@2850,2465 2871.6,2486.6 2871.6,2541.6 3015,2685 3015,2760 2964.3,2810.7 U4.2@2894.71,2810.7
SCK: R23.1 R98.1 R101.1 R105.1 R108.1 U4.11 | length 3803.2
  Top Layer w10: U4.11@2894.71,3094.17 v1(3190,3094.17) 3420,2864.16 3420,2790 ; R98.1@3325.43,2510 3419.71,2510 3419.71,2560.29 ; v1(3445,1510) 3445,2353.82 3535.59,2444.41 ; R105.1@3607.24,2753.82 3456.18,2753.82 3420,2790 ; R101.1@3610.15,2444.41 3535.59,2444.41 ; v1(3750,1430) 3750,1350 3785,1315 4110,1315 4330,1535 R108.1@4330,1618.7 ; 3419.71,2560.29 3419.71,2790 3420,2790 ; 3419.71,2560.29 3535.59,2444.41
  Bottom Layer w10: v1(3190,3094.17) R23.1@3190,3204.56 ; v1(3445,1510) 3445,1470 3480,1435 3745,1435 v1(3750,1430)
SCL: R18.1 U4.6 | length 626.3
  Top Layer w20: v1(2780,3180) 2780,2987.57 2830.89,2936.69 U4.6@2894.71,2936.69
  Bottom Layer w20: v1(2780,3180) 2780,3201.9 2885,3306.9 2885,3380 R18.1@2885,3434.57
SDA: R22.1 U4.7 | length 576
  Top Layer w20: v1(2825,3180) 2825,2985 2841.82,2968.18 U4.7@2894.71,2968.18
  Bottom Layer w20: v1(2825,3180) 2945,3300 2945,3380 R22.1@2945,3434.57
SOL_A0: R67.2 U4.43 | length 323.2
  Top Layer w20: R67.2@2015.43,2825 2045,2825 2156.69,2936.69 U4.43@2292.35,2936.69
STANDBY: R14.1 R20.1 U4.5 | length 430.1
  Top Layer w10: U4.5@2894.71,2910 U4.5@2894.71,2905.19 3062.1,2905.19 v1(3167.29,2800) R20.1@3167.29,2745.44
  Bottom Layer w20: R14.1@3167.29,2745.43 v1(3167.29,2800)
TCK: P2.1 U4.57 | length 207.2
  Top Layer w10: P2.1@2590,2515 2590,2640 2609.28,2659.28 U4.57@2609.28,2714.25
TDI: P2.9 U4.54 | length 474.4
  Top Layer w10: P2.9@2190,2515 2190,2575 2220,2605 2460,2605 2514.79,2659.79 U4.54@2514.79,2714.25
TDO: P2.3 U4.55 | length 222.6
  Top Layer w10: P2.3@2490,2515 2490,2605 2546.29,2661.29 U4.55@2546.29,2714.25
TEMP1: C44_LM601.2 R124_LM601.2 U4.61 U16_LM601.2 | length 3728.2
  Top Layer w10: U4.61@2735.26,2714.25 2735.26,2620.33 2820,2535.6 2820,2420 2840,2400 3010,2400 3071.86,2461.86 3071.86,2701.86 3077.29,2707.29 3128.5,2707.29 3143.36,2707.28 3191.22,2707.29 3203.36,2707.28 3251.22,2707.28 3332.72,2707.28 3380,2660 v1(3380,2550) ; v1(3710,1395) 3710,1005 3954.66,760.34 3954.66,625.34 3975.43,604.57 C44_LM601.2@3975.43,540.43
  Top Layer w20: 3975.43,523.98 U16_LM601.2@3992.01,507.4
  Top Layer w30: 3975.43,523.98 C44_LM601.2@3975.43,540.43
  Bottom Layer w10: v1(3380,2550) 3380,1491.16 3476.16,1395 v1(3710,1395)
TEMP2: C44_LM602.2 R124_LM602.2 U4.60 U16_LM602.2 | length 3080.7
  Top Layer w10: R124_LM602.2@765,2570 765,2580 v1(1440,3255) ; v1(2220,3335) 2275,3335 2345,3265 2345,2875 2369.57,2850.43 2605.37,2850.43 2703.77,2752.03 U4.60@2703.77,2714.25
  Top Layer w20: 765,2473.98 U16_LM602.2@781.57,2457.4
  Top Layer w30: 765,2473.98 C44_LM602.2@765,2510 R124_LM602.2@765,2570
  Bottom Layer w10: v1(1440,3255) 1720,3535 2065,3535 2220,3380 v1(2220,3335)
TEMP3: C44_LM603.2 R124_LM603.2 U4.59 U16_LM603.2 | length 834.9
  Top Layer w10: v1(2370,2785) 2415,2830 2590.44,2830 2672.27,2748.17 U4.59@2672.27,2714.25
  Bottom Layer w10: v1(2370,2785) 2370,2895 2445,2970 2525.43,2970 C44_LM603.2@2560.43,3005
  Bottom Layer w20: C44_LM603.2@2560.43,3005 2566.57,3011.14 U16_LM603.2@2566.57,3102.6
TEMP4: C44_LM604.2 R124_LM604.2 U4.58 U16_LM604.2 | length 3862.8
  Top Layer w10: v1(1297.5,112.5) v1(1722.5,112.5) ; v1(1900,940) 1915,940 1962.4,987.4 1962.4,1467.75 1985,1490.34 1985,2175 2070,2260 2445,2260 2540.6,2355.6 ; 2540,2355.6 2540,2445 2560,2465 2631.77,2465 2640.78,2474 U4.58@2640.78,2714.25
  Bottom Layer w10: v1(1722.5,112.5) 1775,165 1775,815 v1(1900,940)
  Bottom Layer w20: v1(1297.5,112.5) 1332.6,147.6 U16_LM604.2@1332.6,163.43 1316.02,180
  Bottom Layer w30: R124_LM604.2@1220,180 C44_LM604.2@1280,180 1316.02,180
TMS: P2.5 U4.56 | length 426.8
  Top Layer w10: P2.5@2390,2515 2440,2465 2525,2465 2540,2480 2540,2625 2577.78,2662.78 U4.56@2577.78,2714.25
TXD0: P1.1 U4.3 | length 526
  Top Layer w20: U4.3@2894.71,2842.2 2965,2842.2 2966.5,2840.7 2976.72,2840.7 3045,2772.43 3045,2672.57 2970,2597.57 2970,2485 P1.1@2950,2465
VCC3: C22.1 D1.K P2.4 P11.1 P12.1 R4.2 R5.2 R6.2 R11.2 R12.2 R13.2 R14.2 R15.2 R16.2 R23.2 R24.2 R25.2 R26.2 R27.2 R28.2 R29.2 R36.2 R38.1 R39.1 R40.1 R41.1 R44.1 R45_FLASH1.1 R45_FLASH2.1 R46.1 R84.2 R85.2 R86.2 R117.2 R118.1 R119.1 R120.1 R123_LM603.1 R127.2 R128.2 R129.2 R130.2 R131.2 R132.2 R133.2 R134.2 R135.2 R136.2 U5.1 U5.2 | length 12171.8
  Top Layer w10: R84.2@3325.43,3802.8 3325.43,3855 v1(3330.43,3860) 3360.87,3890.43 R85.2@3390.43,3890.43 ; U5.1@3876.77,3520.71 U5.1@3880.08,3517.4 ; v1(4130,1780) 4239.56,1889.56 v1(4240,1889.56)
  Top Layer w15: 4205.28,1854.84 v1(4240,1889.56)
  Top Layer w22: R85.2@3390.43,3890.43 3689.57,3890.43 3769.57,3810.43 R36.2@3769.57,3520.71 ; U5.2@3880.08,3467.4 3822.87,3467.4 3772.87,3517.4 U5.1@3880.08,3517.4
  Top Layer w30: R12.2@2885,3434.57 R11.2@2945,3434.57 v1(3010,3434.57) ; v1(3053.03,2285) 3053.03,2221.93 R127.2@3055,2219.96 ; C22.1@3639.57,3314.57 3639.57,3402.4 3757.87,3520.71 R36.2@3769.57,3520.71
  Bottom Layer w10: R117.2@3109.96,3845.43 R117.2@3110.43,3844.96 ; R119.1@3978.96,1860 4050,1860 v1(4130,1780)
  Bottom Layer w15: P11.1@1935.77,3604.14 2120.54,3604.14 R120.1@2136.37,3588.32 2221.37,3673.32 2221.37,3748.28 2303.08,3830 2349.65,3830 P12.1@2359.82,3819.82 ; 3035,3275.43 3040,3280.43 ; v1(3110.43,3895) 3305.43,3895 3330.43,3870 v1(3330.43,3860) ; D1.K@4230,1970.36 4230,1944.53 R118.1@4175.04,1889.57 v1(4240,1889.56)
  Bottom Layer w20: R45_FLASH2.1@3860.59,2589.37 3795,2523.78 3795,2400 3903.37,2291.63 3903.37,2220.64 R26.2@3867.37,2184.64
  Bottom Layer w30: R5.2@2015.43,2925 R129.2@2015.42,3077.28 R132.2@2015.42,3227.27 ; R134.2@2015.42,3477.27 R132.2@2015.42,3227.27 ; R120.1@2136.37,3588.32 2275,3449.69 2275,3320 2182.27,3227.27 R132.2@2015.42,3227.27 ; P12.1@2370,3830 2390.04,3830 2440.04,3880 2895,3880 ; P2.4@2490,2415 2490,2370 2510,2350 2968.43,2350 3053.03,2434.6 ; R44.1@2755,1984.96 2755,2085 2889.96,2219.96 3053.03,2219.96 v1(3053.03,2285) 3053.03,2434.6 ; R123_LM603.1@2756.84,3100 2835,3100 2844.96,3109.96 ; R86.2@3030.43,3845.43 R117.2@3109.96,3845.43 ; R117.2@3110.43,3844.96 v1(3110.43,3895) 2910,3895 2895,3880 ; R16.2@3290,2674.57 R13.2@3104.58,2674.57 ; R45_FLASH2.1@3860.59,2589.37 4119.37,2589.37 4119.37,2795.63 4016.22,2898.78 R45_FLASH1.1@3857.68,2898.78 3771.22,2898.78 3394.57,3275.43 R23.2@3190,3275.43 R24.2@3130,3275.43 R25.2@3065,3275.43 3035,3275.43 3010.43,3275.43 ; R26.2@3867.37,2184.64 R38.1@3812.37,2184.64 R27.2@3702.37,2184.64 R39.1@3647.37,2184.64 3619.64,2184.64 3550,2115 3550,1572.54 3531.23,1553.77 R40.1@3594.65,1553.77 R29.2@3647.37,1553.77 R41.1@3757.37,1553.77 R28.2@3812.37,1553.77 3903.77,1553.77 v1(4130,1780) ; 2844.96,3109.96 3010.43,3275.43 ; 2844.96,3109.96 2844.96,3055 3035,2864.96 3035,2705 3065.43,2674.57 R13.2@3104.58,2674.57 ; 2895,3880 2895,3705 3010,3590 v1(3010,3434.57) 3010.43,3434.14 3010.43,3275.43 ; 3053.03,2434.6 3104.58,2486.14 R13.2@3104.58,2674.57
VCC4: C15.2 C17.1 C25.2 C31.1 L1.2 R33.2 R42.1 R43.1 R76_RTD_interface1.2 R76_RTD_interface2.2 R111_RTD_interface1.2 R111_RTD_interface2.2 R112.2 R123_LM601.1 R123_LM602.1 R123_LM604.1 U9.2 | length 13058.8
  Top Layer w30: R123_LM602.1@859.57,2473.31 859.57,2534.57 1335,3010 v1(1335,3035) ; R42.1@2000.04,1410 C25.2@2000.04,1325 2000.04,1144.96 v1(2035,1110) ; R123_LM601.1@4070,523.31 v1(4070,660)
  Bottom Layer w20: 1668.04,2443.11 1720.04,2391.1 R43.1@1720.04,2360
  Bottom Layer w30: L1.2@960,3445.67 960,3442.36 R33.2@960,3341.14 C15.2@885,3341.14 686.14,3341.14 550,3205 550,205 690,65 1493.31,65 R123_LM604.1@1525,96.69 1621.69,96.69 1690,165 1690,915 1777.68,1002.68 R76_RTD_interface1.2@2053.5,1002.68 ; C31.1@1540,2571.14 1668.04,2443.11 R112.2@1668.04,2281.93 ; v1(2035,1110) 2053.5,1091.5 R76_RTD_interface1.2@2053.5,1002.68 ; R111_RTD_interface1.2@2305,365.04 2400.04,365.04 2505,470 2505,1035.43 ; R111_RTD_interface2.2@3060,365.04 3189.96,365.04 3285,460.08 ; v1(4070,660) 3870.08,460.08 3285,460.08 ; R76_RTD_interface1.2@2053.5,1002.68 2167.68,1002.68 2200.43,1035.43 2505,1035.43 ; 2505,1035.43 2838.74,1035.43 2840,1034.17 2860.83,1055 3131.5,1055 3285,901.5 3285,460.08
  Bottom Layer w50: C17.1@1095,3445.67 1224.33,3445.67 1335,3335 v1(1335,3035) 1335,2776.14 C31.1@1540,2571.14 1484.1,2515.24 U9.2@1166.06,2515.24
  Bottom Layer w70: 1000,3445 C17.1@1095,3445.67
pads on no net: P4.2 U4.17 U4.18 U4.19 U4.26 U4.27 U4.28 U4.51

## Polygon pours and split planes (outlines as drawn)
GROUND4 on Bottom Layer "Top Layer-No Net" (solid, remove dead copper, pour order 6): 425,4050 425,0 4565,0 4565,4050
GROUND4 on Top Layer "Top Layer-No Net" (solid, remove dead copper, pour order 8): 425,4050 4565,4050 4565,0 425,0

## Other copper
Top Layer:
  rectangle net GROUND4: 1200,3685 1630,3730
  pour cut-out: 3375,0 3330,0 3330,1280 2560,1280 2560,2275 2040,2275 1630,2685 1630,3685 425,3685 425,3730 1680,3730 1680,2705 2070,2315 2610,2315 2610,1335 3375,1335
Bottom Layer:
  rectangle net GROUND4: 1200,3685 1630,3730
  pour cut-out: 3330,0 3330,1239.51 3330,1280 3289.51,1280 2560,1280 2560,2275 2040,2275 1630,2685 1630,3685 425,3685 425,3730 1680,3730 1680,2705 2070,2315 2595,2315 2610,2300 2610,1335 3375,1335 3375,0

## Text inside footprints (layer, text, board x,y; h text height)
P2: Top Overlay "2" at 2690,2435 h50 r180; Top Overlay "1" at 2670,2535 h50 r180; Top Overlay "9" at 2130,2535 h50 r180; Top Overlay "10" at 2130,2435 h50 r180